# KiCad board dwm3000_xiao.kicad_pcb
title: DW3000 / Seeeduino carrier; rev: v2; company: egnor
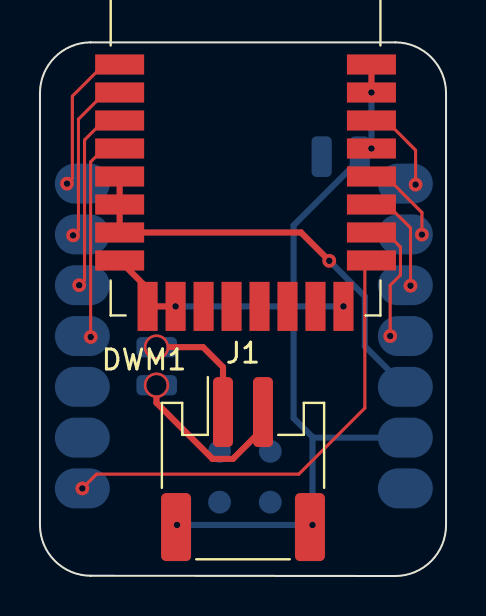
[diagram p0: board, top side]
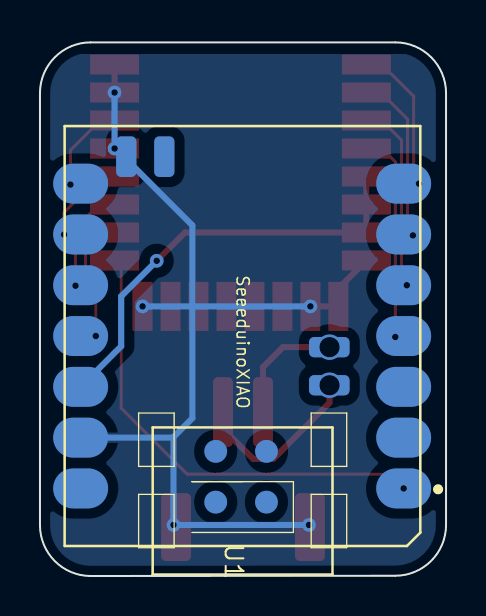
[diagram p1: board, bottom side, seen from below]

Outline 20.32 x 26.68 mm; copper layers: Top, Bottom. Coordinates in mm from the lower left corner of the outline.
Outline path: 0,24.14 0,2.55 arc(0.74,0.76) 2.54,0.01 17.78,0 arc(19.58,0.75) 20.32,2.55 20.32,24.14 arc(19.58,25.94) 17.78,26.68 2.54,26.68 arc(0.74,25.94) 0,24.14
Stack: Top 0.035mm / dielectric 1.51mm FR4 er 4.5 / Bottom 0.035mm

## Placement (name value [footprint] x y rotation side)
DWM1  DWM3000  [DWM1000]  10.29 24.78 0 top
J1  BAT  [JST_PH_S2B-PH-SM4-TB_1x02-1MP_P2.00mm_Horizontal]  10.16 5.35 0 top
U1  SeeeduinoXIAO  [Seeeduino XIAO-MOUDLE14P-2.54-21X17.8MM]  10.29 12.08 90 bottom

## Footprints (pads in the part's own frame, mm; a bottom-side part is the same pattern mirrored in y, then rotated)
DWM1000
  rect 2.45x1 smd: 1(-6.3,0.799) 2(-6.3,-0.601) 3(-6.3,-2.001) 4(-6.3,-3.401) 5(-6.3,-4.801) 6(-6.3,-6.201) 7(-6.3,-7.601) 8(-6.3,-9.001) 17(6.3,-9) 18(6.3,-7.6) 19(6.3,-6.201) 20(6.3,-4.801) 21(6.3,-3.401) 22(6.3,-2.001) 23(6.3,-0.601) 24(6.3,0.799)
  rect 1x2.45 smd: 9(-4.9,-11.296) 10(-3.5,-11.296) 11(-2.1,-11.296) 12(-0.7,-11.296) 13(0.7,-11.296) 14(2.1,-11.296) 15(3.5,-11.296) 16(4.9,-11.296)
JST_PH_S2B-PH-SM4-TB_1x02-1MP_P2.00mm_Horizontal
  rrect 1x3.5 smd: 1(-1,2.85) 2(1,2.85)
  rrect 1.5x3.4 smd: MP(-3.35,-2.9) MP(3.35,-2.9)
Seeeduino XIAO-MOUDLE14P-2.54-21X17.8MM
  oval 1.999x2.748 smd: 1(-7.699,-8.167) 2(-5.159,-8.167) 3(-2.619,-8.167) 4(-0.079,-8.167) 5(2.461,-8.167) 6(5.001,-8.167) 7(7.541,-8.167) 8(7.541,7.998) 9(5.001,7.998) 10(2.461,7.998) 11(-0.079,7.998) 12(-2.619,7.998) 13(-5.159,7.998) 14(-7.699,7.998)
  rrect 2.032x1.016 smd: 15(8.89,3.81) 16(8.89,5.715)
  round 1.143 smd: 17(-8.385,-1.301) 18(-8.385,1.239) 19(-5.845,-1.301) 20(-5.845,1.239)
  rrect 1.016x2.032 smd: 21(-0.635,-4.445) 22(-2.54,-4.445)

## Nets
+3V3: DWM1.5 DWM1.6 DWM1.7 U1.12
+5V: U1.14
GND: DWM1.8 DWM1.9 DWM1.10 DWM1.16 DWM1.21 DWM1.23 DWM1.24 J1.MP U1.13
/B+: J1.1 U1.21
/B-: J1.2 U1.22
Net-(DWM1-Pad1): DWM1.1 U1.7
Net-(DWM1-Pad2): DWM1.2 U1.6
Net-(DWM1-Pad3): DWM1.3 U1.5
Net-(DWM1-Pad4): DWM1.4 U1.4
Net-(DWM1-Pad17): DWM1.17 U1.1
Net-(DWM1-Pad18): DWM1.18 U1.11
Net-(DWM1-Pad19): DWM1.19 U1.10
Net-(DWM1-Pad20): DWM1.20 U1.9
Net-(DWM1-Pad22): DWM1.22 U1.8

Pads without a net: DWM1 11 12 13 14 15; U1 2 3 15 16 17 18 19 20

## Via types
v1: diameter 0.686, hole 0.33, Top to Bottom, 16 vias
v2: diameter 1.27, hole 1.016, Top to Bottom, 2 vias

## Routing (per net, layer and track width the routed paths; a pad name or vN(x,y) marks a point on that pad's centre or on a via; arc(x,y) is an arc through that point)
+3V3: length 21.8
  Top w0.305: v1(14.48,15.76) 13.06,17.18 DWM1.7 DWM1.6 DWM1.5
  Bottom w0.305: v1(14.48,15.76) 16.26,13.98 16.26,11.49 U1.12
GND: length 49.2
  Top w0.305: DWM1.8 5.39,14.38 5.39,13.48 v1(6.79,13.48) ; 16.59,25.58 v1(16.59,24.18)
  Bottom w0.305: v1(6.86,2.55) v1(13.64,2.55) 13.64,6.95 ; 12.69,13.48 12.69,17.53 16.54,21.38 v1(16.59,21.38) v1(16.59,24.18) ; 12.69,13.48 v1(6.79,13.48) ; 12.69,13.48 12.69,7.89 13.64,6.95 ; 12.69,13.48 v1(15.19,13.48) ; 13.64,6.95 13.67,6.92 U1.13
/B+: length 6
  Top w0.305: J1.1 9.16,10.44 8.16,11.44 v2(5.83,11.44)
/B-: length 8.8
  Top w0.305: J1.2 11.16,7.36 9.65,5.85 8.64,5.85 5.83,8.66 v2(5.83,9.54)
Net-(DWM1-Pad1): length 7.5
  Top w0.152: v1(1.35,19.62) 1.62,19.89 1.62,23.99 3.21,25.58 DWM1.1
Net-(DWM1-Pad2): length 8.5
  Top w0.152: DWM1.2 3.26,24.18 1.93,22.84 1.93,17.3 v1(1.66,17.03)
Net-(DWM1-Pad3): length 9.5
  Top w0.152: v1(1.96,14.54) 2.23,14.81 2.23,21.8 3.21,22.78 DWM1.3
Net-(DWM1-Pad4): length 10.5
  Top w0.152: v1(2.54,11.95) 2.53,11.96 2.53,20.7 3.21,21.38 DWM1.4
Net-(DWM1-Pad17): length 23.3
  Top w0.152: 16.59,15.78 16.26,15.45 16.26,8.39 12.95,5.09 2.83,5.09 v1(2.12,4.38)
Net-(DWM1-Pad18): length 6.4
  Top w0.152: 16.59,17.18 17.31,17.18 18.04,16.45 18.04,15.05 17.53,14.54 v1(17.53,12)
Net-(DWM1-Pad19): length 5.3
  Top w0.152: 16.59,18.58 17.37,18.58 18.54,17.4 v1(18.54,14.51)
Net-(DWM1-Pad20): length 4.4
  Top w0.152: v1(19.11,17.07) 19.11,18.18 17.31,19.98 16.59,19.98
Net-(DWM1-Pad22): length 4.5
  Top w0.152: 16.59,22.78 17.31,22.78 18.8,21.29 v1(18.8,19.57)

## Copper pours and planes (outline as drawn; the poured copper is in the pictures)
GND on Bottom: 20.32,0.01 0,0.01 0,26.68 20.32,26.68
